# Altium PCB UD2 CPLD.PcbDoc (part 2 of 2)
Units mil, origin at the board's own origin, x right, y up, seen from the top; angles counter-clockwise.
Board outline 3700 x 2400 mil, 2 copper layers (Top Layer, Bottom Layer), stack 65.3 mil thick; 179 components, 89 nets, 480 pads, 189 vias.
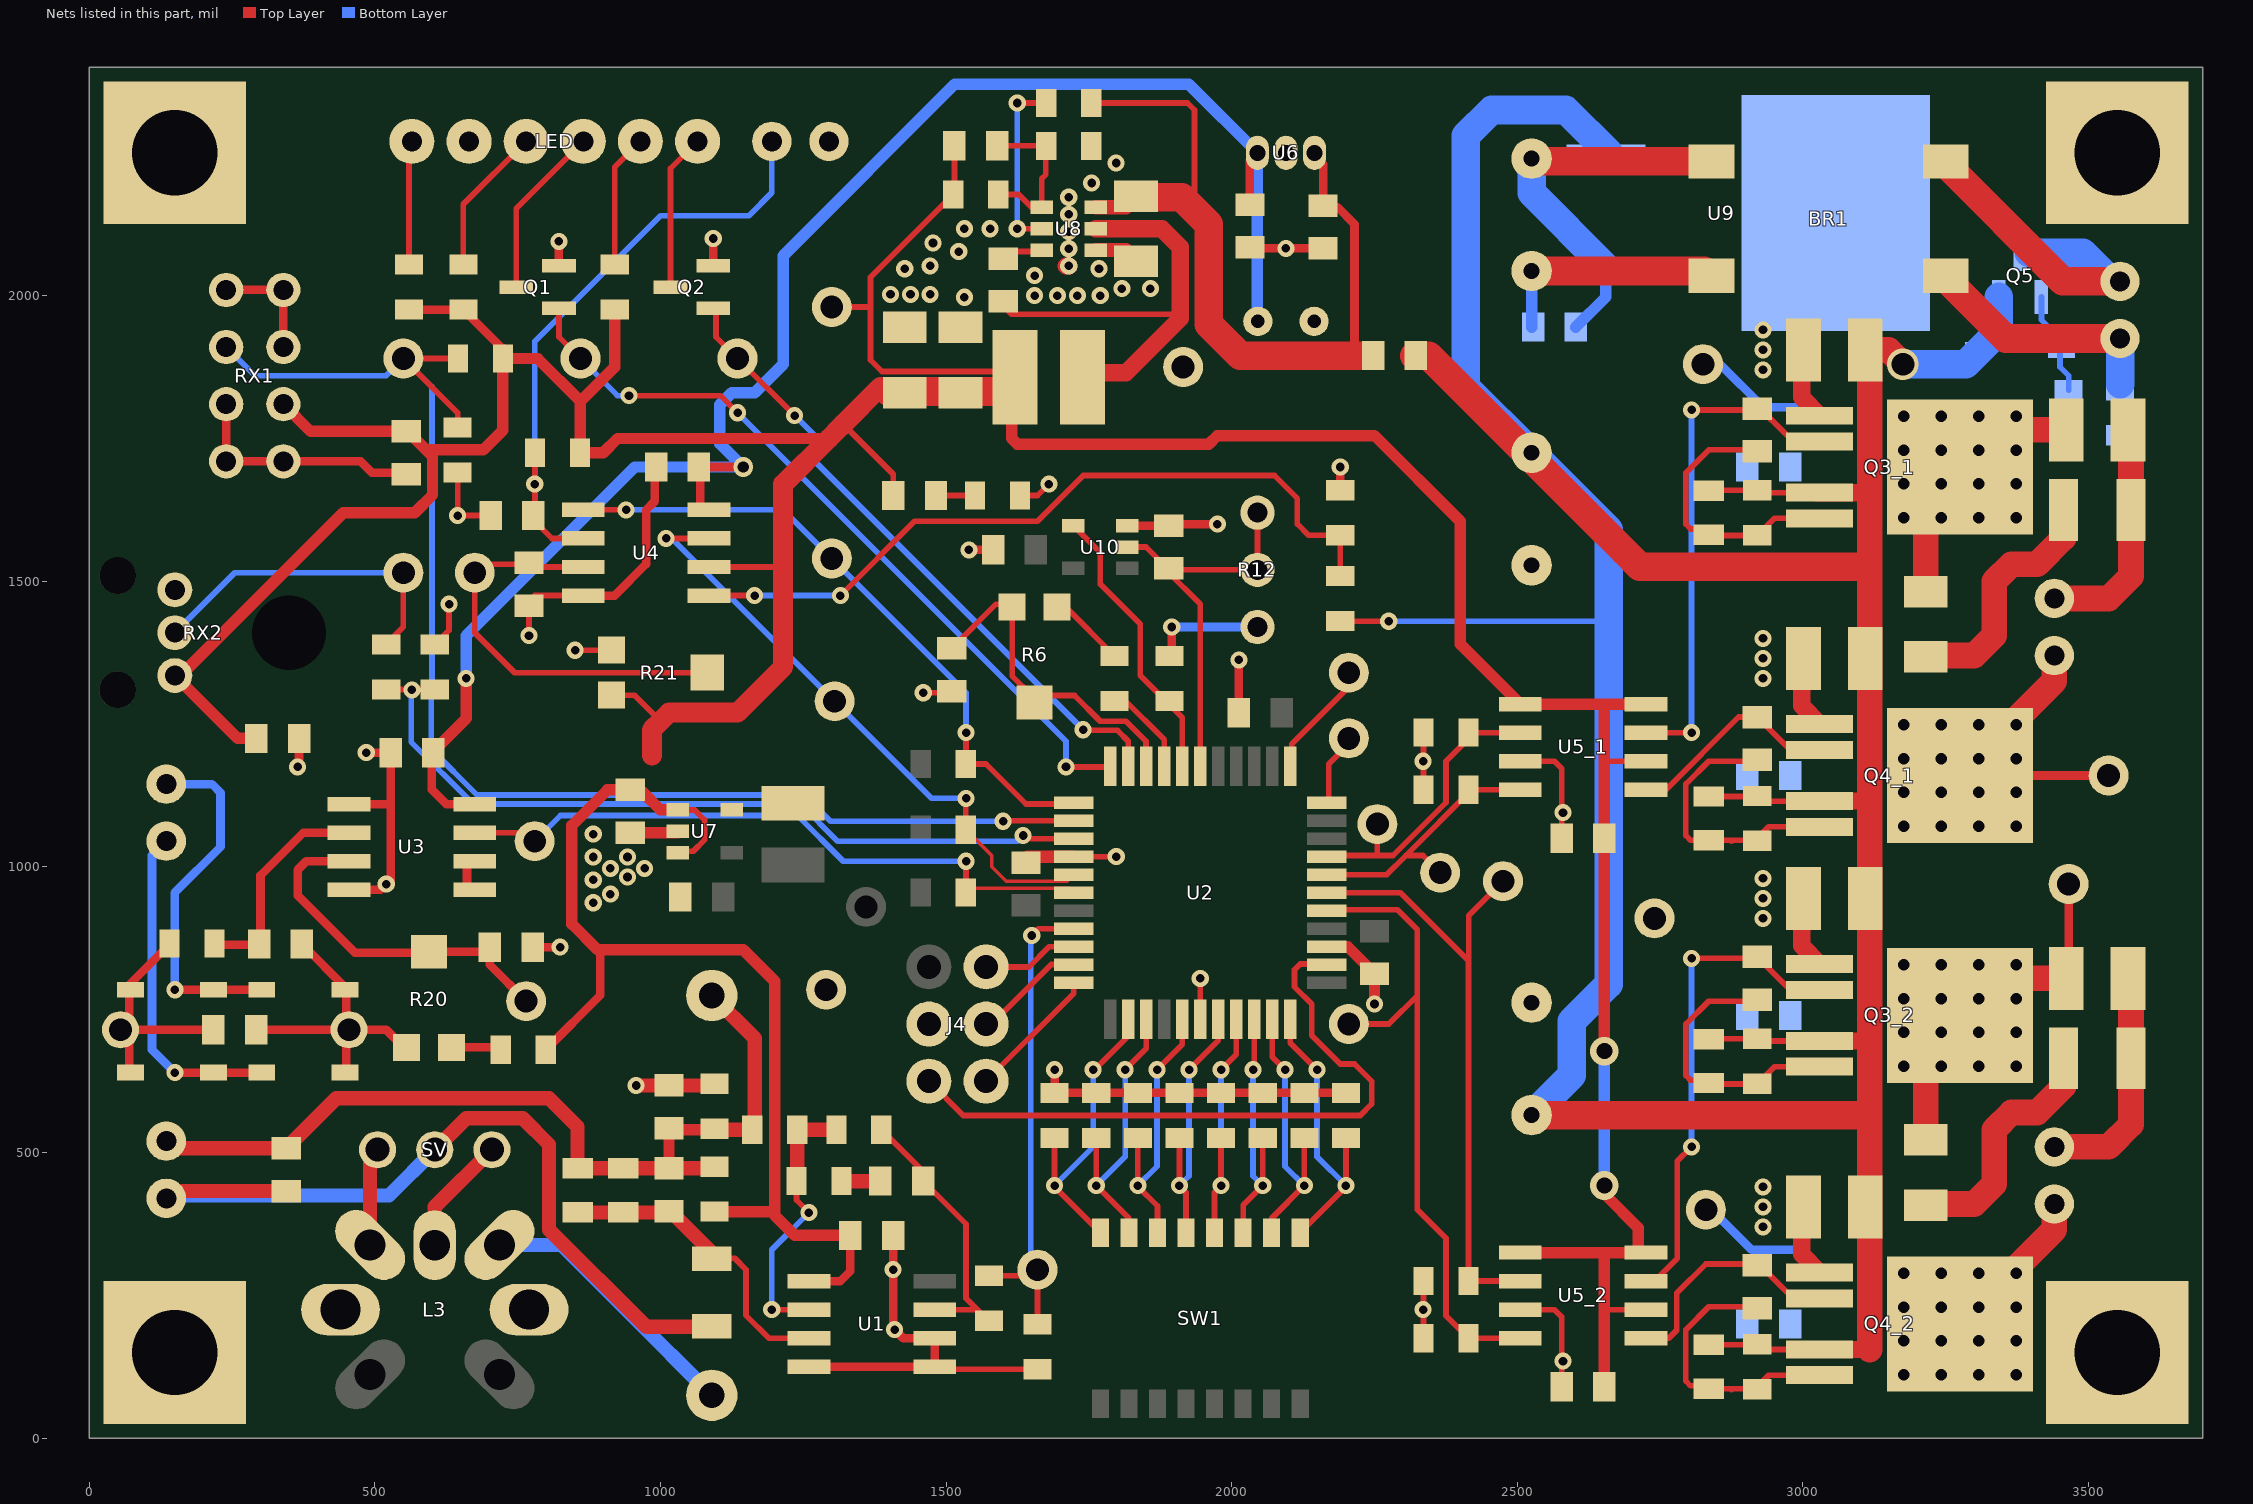
[diagram p2: the nets of this part, all layers, seen from the top]

## Via types
v1: diameter 30, hole 15, Top Layer to Bottom Layer, tented both sides, 121 vias
v2: diameter 40, hole 20, Top Layer to Bottom Layer, tented both sides, 64 vias
v3: diameter 50, hole 28, Top Layer to Bottom Layer, 2 vias
v4: diameter 55, hole 40, Top Layer to Bottom Layer, 1 vias
v5: diameter 35, hole 20, Top Layer to Bottom Layer, tented both sides, 1 vias

## Nets (pads, with @x,y where several pads share a name; then routed paths per layer and width w, separated by ;. In a path a pad name is that pad's centre, name@x,y a point inside that pad or via, vN(x,y) a via of type N, cw(c..) or ccw(c..) an arc to the next point about the centre after c; other vN are vias at no path point) (continued)
+5V: +5V.1 C3.1 C6.1 C16.2 C25.2 C31_1.2 C31_2.2 C40.1 C41.2 C43.2 L2.2 PWR.1 R1.2 R2.2 R3.2 R11.2 R13.2 R21.3 R22.2 R32.2 R38.2 RX1.2 RX2.3 U1.1 U4.6 U5_1.1 U5_1.6 U5_1.8 U5_2.1 U5_2.6 U5_2.8 U7.1 U7.3 | length 9813.5
  Top Layer w10: R21.3@914.76,1300.63 954.37,1300.63 1000,1255 ; U7.1@1030.16,1099.8 1060,1099.8 1077.4,1082.4 1077.4,1047.4 1057.4,1027.4 U7.3@1037.4,1027.4 ; U4.6@1085.04,1525 1215,1525 ; +5V.1@1300,1980 1367.71,1980 ; 1315,1780 1320,1775 1407.6,1687.4 PWR.1@1407.6,1650 ; R13.2@1512.74,2177.19 1367.71,2032.16 1367.71,1980 ; R13.2@1514.71,2177.19 C41.2@1514.71,2262.19 ; L2.2@1617.71,1887.19 1597.71,1867.19 1387.71,1867.19 1367.71,1887.19 1367.71,1980 ; U5_1.1@2518.54,1285 U5_1.1@2520,1285 ; v3@2652.4,425 v3(2652.4,442.4) ; 2652.4,1180 2657.4,1185 U5_1.6@2711.46,1185 ; 2657.4,225 U5_2.6@2711.46,225
  Top Layer w15: R1.2@555,1980 R1.2@560,1975 ; R1.2@560,1975.63 R2.2@655,1975.63 ; R2.2@659.37,1975.63 R2.2@655,1975.63 ; R32.2@725,1905.63 R2.2@655,1975.63 ; R38.2@799.37,680 895,775.63 895,855 ; R3.2@925,1975 R3.2@929.37,1975 ; R3.2@926.34,1971.97 R3.2@929.37,1975 ; R3.2@930,1975.63 R3.2@929.37,1975 ; U1.1@1259.96,275 1315,275 1332.6,292.6 C16.2@1332.6,355
  Top Layer w20: RX2.3@150,1335 RX2.3@154.04,1330.96 ; C43.2@295,1225 C43.2@292.6,1225 260,1225 RX2.3@154.04,1330.96 ; RX1.2@340,1810 387.6,1762.4 C25.2@555,1762.4 ; C25.2@555,1760 C25.2@560,1760 ; C25.2@555,1765 C25.2@560,1760 ; R32.2@724.37,1890 724.37,1764.37 690,1730 590,1730 ; R32.2@725,1905.63 725,1890 785,1890 860,1815 ; 860,1810 860,1815 ; R3.2@920,1975 920,1875 860,1815 ; C3.1@947.4,1132.4 967.4,1132.4 1000,1099.8 U7.1@1030.16,1099.8 ; C3.1@947.4,1134.8 907.18,1134.8 845,1072.63 845,900 890,855 895,855 1145,855 1200,800 1200,390 1235,355 C16.2@1332.6,355 C16.2@1335,355 ; R11.2@1095,396.61 1193.39,396.61 ; 1295,1750 925,1750 900,1725 R22.2@859.37,1725 859.37,1814.37 860,1815 ; L2.2@1615,1870 1615,1832.19 1615,1750 1625,1740 1960,1740 1975,1755 2250,1755 2400,1605 2400,1390 U5_1.1@2504.96,1285 ; U5_2.1@2518.54,325 2711.46,325 2711.46,368.54 v3@2655,425 ; U5_1.1@2520,1285 U5_1.8@2711.46,1285 ; C31_2.2@2652.4,90 2652.4,322.4 ; v3(2652.4,677.4) C31_1.2@2652.4,1050 2652.4,1180 2652.4,1282.4 ; RX2.3@154.04,1330.96 155.96,1330.96 445,1620 570,1620 601,1651 601,1719 590,1730 ; C25.2@560,1760 590,1730
  Top Layer w35: 985,1195 985,1240 1000,1255 1015,1270 1135,1270 1215,1350 1215,1525 1215,1670 1295,1750 1315,1770 1320,1775 1385,1840
  Top Layer w50: C40.1@1400,1832.19 1615,1832.19 L2.2@1619.71,1832.19
  Bottom Layer w20: v3(2652.4,442.4) v3(2652.4,677.4)
+15V: C20.2 C22.2 C33.1 C35.2 U3.8 U4.8 U6.1 | length 2957.7
  Top Layer w15: C20.2@600,1200 600,1135 625,1110 U3.8@660,1110 ; C22.2@1067.4,1700 v5(1145,1700) ; U4.8@1070,1625 C22.2@1070,1700 ; C35.2@2031.85,2159.49 U6.1@2031.85,2236.85
  Top Layer w20: C20.2@600,1200 660,1260 v1(660,1330)
  Bottom Layer w20: v1(660,1330) 660,1405 955,1700 v5(1145,1700) 1104,1741 1104,1809 1125,1830 1165,1830 1180,1845 1215,1880 1215,2070 1515,2370 1925,2370 U6.1@2045,2250 C33.1@2045,1955
+24V: C1.1 C2.1 C27_1.1 C27_2.1 C30_1.1 C30_2.1 D7_1.K D7_2.K D8_1.K D8_2.K D9.K FB1.1 Q3_1.4 Q3_2.4 Q4_1.4 Q4_2.4 Q5.3 R33_1.2 R33_2.2 R37_1.2 R37_2.2 R39.1 U9.3 | length 7318.2
  Top Layer w10: R39.1@2190,1430.63 2190.63,1430 v1(2275,1430) ; 2687.5,1552.5 2690,1555 ; D8_2.K@2835,163.39 R37_2.2@2918.39,163.39 ; D8_1.K@2835,1123.39 R37_1.2@2918.39,1123.39 ; D7_2.K@2840,700 2840.63,699.37 R33_2.2@2920,699.37 ; D7_1.K@2840,1660 2840.63,1659.37 R33_1.2@2920,1659.37 ; R37_2.2@2920,165 2929.88,155.12 Q4_2.4@3028.94,155.12 ; R37_1.2@2920,1125 2929.88,1115.12 Q4_1.4@3028.94,1115.12 ; R33_2.2@2924.88,695.12 Q3_2.4@3028.94,695.12 ; R33_1.2@2924.88,1655.12 Q3_1.4@3028.94,1655.12 ; 3109.88,155.12 3110,155 ; 3109.88,1115.12 3110,1115
  Top Layer w30: Q3_2.4@3025,695 3112.09,695 ; Q3_1.4@3025,1655 3112.09,1655 ; Q4_2.4@3028.94,155.12 3109.88,155.12 ; Q4_1.4@3028.94,1115.12 3109.88,1115.12 ; C30_1.1@3110,1367.91 C30_1.1@3112.09,1370
  Top Layer w45: C27_1.1@3109.13,1905 3150,1905 v4(3175,1880) ; 3117,155 C27_1.1@3117,1890
  Top Layer w50: FB1.1@2320,1895 FB1.1@2322.4,1895 2345,1895 2620,1620 ; C2.1@2525,565.61 3100,565.61 ; 2621.71,1618.29 2687.5,1552.5 2714.39,1525.61 3100,1525.61
  Bottom Layer w10: v1(2275,1430) 2660,1430 ; 2660,1375 2665,1375
  Bottom Layer w50: C2.1@2520,570 C2.1@2520.31,570.31 ; C2.1@2525,565.61 2595,635.61 2595,730 2660,795 2660,1375 2660,1430 2660,1590 C1.1@2525,1725 2410,1840 2410,2280 2455,2325 2585,2325 U9.3@2660,2250 ; v4(3175,1880) 3285,1880 3340,1935 ; 3342.6,1937.6 Q5.3@3342.6,1997.6
A11: 1A.1 R35_1.2 U2.30 U5_1.2 | length 542.7
  Top Layer w10: U2.30@2170,1020 2255,1020 ; 1A.1@2255,1075 2255,1020 ; U5_1.2@2520,1235 U5_1.2@2504.96,1235 R35_1.2@2414.37,1235 2414.37,1224.37 2375,1185 2375,1112.63 2282.37,1020 2255,1020
A12: 2A.1 R35_2.2 U2.28 U5_2.2 | length 1137.9
  Top Layer w10: U2.28@2165,960 2170,955 2295,955 2414.37,835.63 ; 2415,830 2415,835 ; 2A.1@2475,975 2415,915 2415,835 ; U5_2.2@2520,275 U5_2.2@2504.96,275 R35_2.2@2414.37,275 2414.37,835.63 ; 2414.37,835.63 2415,835
A_1: A_1.1 C26_1.1 C28_1.1 C37_1.2 Q3_1.3 | length 661.6
  Top Layer w45: C26_1.1@3215,1482.09 3215,1650 Q3_1.3@3275,1710 ; Q3_1.3@3270,1700 3335,1765 C28_1.1@3460.87,1765
  Bottom Layer w15: A_1.1@2825,1880 2855,1880 2930,1805 2985,1805
  other v2: 3176.57,1611.42 3242.19,1611.42 3307.81,1611.42 3373.43,1611.42 3176.57,1670.47 3242.19,1670.47 3307.81,1670.47 3373.43,1670.47 3176.57,1729.53 3242.19,1729.53 3307.81,1729.53 3373.43,1729.53 3176.57,1788.58 3242.19,1788.58 3307.81,1788.58 3373.43,1788.58
A_2: A_2.1 C26_2.1 C28_2.1 C37_2.2 Q3_2.3 | length 635.6
  Top Layer w15: C28_2.1@3465,805 A_2.1@3465,970
  Top Layer w45: C26_2.1@3215,522.09 3215,690 Q3_2.3@3275,750 ; Q3_2.3@3270,740 3335,805 C28_2.1@3460.87,805
  other v2: 3176.57,651.42 3242.19,651.42 3307.81,651.42 3373.43,651.42 3176.57,710.47 3242.19,710.47 3307.81,710.47 3373.43,710.47 3176.57,769.53 3242.19,769.53 3307.81,769.53 3373.43,769.53 3176.57,828.58 3242.19,828.58 3307.81,828.58 3373.43,828.58
B1: 1B.1 R36_1.2 U2.29 U5_1.4 | length 493.1
  Top Layer w10: U2.29@2166.46,986.5 2271.5,986.5 2305,1020 ; 1B.1@2365,990 2335,1020 2305,1020 ; R36_1.2@2414.37,1135 R36_1.2@2420,1135 ; U5_1.4@2520,1135 U5_1.4@2504.96,1135 R36_1.2@2420,1135 ; 2305,1020 R36_1.2@2420,1135
B2: 2B.1 R36_2.2 U2.27 U5_2.4 | length 1172.9
  Top Layer w10: U2.27@2165,925 2290,925 2325,890 2325,775 ; 2B.1@2205,725 2275,725 2325,775 ; U5_2.4@2520,175 U5_2.4@2504.96,175 R36_2.2@2414.37,175 2375,214.37 2375,350 2325,400 2325,775
B_1: B_1.1 C38_1.2 GDT_1.2 Q4_1.3 | length 438.3
  Top Layer w15: Q4_1.3@3380,1160 B_1.1@3535,1160
  Top Layer w45: Q4_1.3@3275,1160 3440,1325 GDT_1.2@3440,1370 GDT_1.2@3440,1375
  other v2: 3176.57,1071.42 3242.19,1071.42 3307.81,1071.42 3373.43,1071.42 3176.57,1130.47 3242.19,1130.47 3307.81,1130.47 3373.43,1130.47 3176.57,1189.53 3242.19,1189.53 3307.81,1189.53 3373.43,1189.53 3176.57,1248.58 3242.19,1248.58 3307.81,1248.58 3373.43,1248.58
B_2: B_2.1 C38_2.2 GDT_2.2 Q4_2.3 | length 472.3
  Top Layer w45: Q4_2.3@3275,200 3440,365 GDT_2.2@3440,410 GDT_2.2@3440,415
  Bottom Layer w15: B_2.1@2830,400 2840,400 2910,330 2990,330
  other v2: 3176.57,111.42 3242.19,111.42 3307.81,111.42 3373.43,111.42 3176.57,170.47 3242.19,170.47 3307.81,170.47 3373.43,170.47 3176.57,229.53 3242.19,229.53 3307.81,229.53 3373.43,229.53 3176.57,288.58 3242.19,288.58 3307.81,288.58 3373.43,288.58
FAULT: FAULT.1 Q2.1 U2.43 | length 1134.6
  Top Layer w10: Q2.1@1097.4,1977.6 1097.4,1927.6 FAULT.1@1135,1890 v1(1235,1790) ; v1(1740,1240) 1741,1239 1800,1239 1819.02,1219.98 U2.43@1819.02,1176.46
  Bottom Layer w10: v1(1235,1790) 1270,1755 1270,1710 v1(1740,1240)
GND: BR1.2 C1.2 C2.2 C3.2 C4.2 C6.2 C7.2 C8.1 C9.1 C10.2 C12.2 C14.2 C16.1 C17.1 C18.1 C19.1 C20.1 C21.1 C22.1 C23.1 C24.1 C25.1 C27_1.2 C27_2.2 C30_1.2 C30_2.2 C31_1.1 C31_2.1 C33.2 C34.1 C35.1 C36.2 C37_1.1 C37_2.1 C38_1.1 C38_2.1 C39.1 C40.2 C42.1 C43.1 D5.A D6.A GND1.1 GND2.1 GND3.1 J4.3 L3.0 LED.2 pad.0 Q1.3 Q2.3 Q3_1.1 Q3_2.1 Q4_1.1 Q4_2.1 R14.1 R17.2 R18.1 R20.1 R21.1 R24.2 R25.2 R26.2 R27.2 R28.2 R29.2 R30.2 R31.2 R35_1.1 R35_2.1 R36_1.1 R36_2.1 R40.1 R42.1 R43.1 R44.1 R46.1 R48.1 R50.1 RX1.1 RX1.3 RX1.4 RX1.5 RX1.7 RX1.8 RX2.1 THERM.2 U1.4 U1.5 U1.6 U2.4 U2.17 U2.25 U3.1 U3.4 U4.4 U5_1.3 U5_2.3 U6.2 U7.2 U8.1 U9.2 U10.3 | length 6412.9
  Top Layer w10: R50.1@605,1389.37 630,1414.37 v1(630,1460) ; R48.1@645,1690.63 v1(645,1615) C24.1@702.6,1615 ; C23.1@765,1460 780,1475 U4.4@864.96,1475 U4.4@878.54,1475 ; v1(770,1405) C23.1@770,1457.6 ; v1(850.63,1379.37) R21.1@914.76,1379.37 ; v1(1460,1305) C12.2@1512.6,1305 ; U1.5@1490,120 1490.63,120.63 R44.1@1660,120.63 ; R46.1@1629.37,1650 1660,1650 v1(1680,1670) ; U2.4@1723.54,1017.99 v1(1797.99,1017.99) ; U2.17@1945,733.54 v1(1945,805) ; R36_2.1@2335.63,175 R35_2.1@2335.63,274.37 ; R36_1.1@2335.63,1135 R35_1.1@2335.63,1234.37 ; U5_2.3@2518.54,225 2565,225 2577.6,212.4 C31_2.1@2577.6,90 ; U5_1.3@2518.54,1185 2565,1185 2577.6,1172.4 C31_1.1@2577.6,1050
  Top Layer w15: RX1.7@240,1810 RX1.8@240,1710 RX1.1@340,1710 475,1710 495,1690 C25.1@555,1690 ; RX1.5@240,2010 RX1.4@340,2010 RX1.3@340,1910 ; C18.1@292.4,715 R18.1@450,715 ; v1(365,1175) 367.4,1177.4 C43.1@367.4,1225 ; C19.1@372.4,865 450,787.4 R18.1@450,715 ; D6.A@450,635 R18.1@450,715 ; U3.4@450,960 U3.4@454.96,960 510,960 v1(520,970) 527.6,977.6 C20.1@527.6,1200 v1(485,1200) ; U3.1@454.96,1110 525,1110 ; R20.1@555,680 520,715 R18.1@455,715 R18.1@450,715 ; C21.1@776.42,859.54 v1(824.54,859.54) ; Q1.3@822.4,2057.6 v1(822.4,2095) ; U4.4@878.54,1475 920,1475 975,1530 975,1625 990,1640 C22.1@990,1700 ; v1(957.4,617.4) 957.6,617.4 v1@960,615 ; R14.1@1092.4,617.4 R14.1@1095,620 ; Q2.3@1092.4,2057.6 v1(1092.4,2100) ; U1.4@1255,125 U1.4@1259.96,125 U1.5@1480.04,125 1480,166.26 U1.6@1484.37,170.63 ; C16.1@1407.4,355 v1(1407.4,295) 1407.4,192.6 v1(1410,190) 1425,175 U1.6@1480.04,175 ; v1(1540,1555) C42.1@1582.6,1555 ; v1(1690,645) R24.2@1690,604.37 R25.2@1762.86,604.37 R26.2@1835.71,604.37 R27.2@1908.57,604.37 R28.2@1981.43,604.37 R29.2@2054.29,604.37 R30.2@2127.14,604.37 R31.2@2200,604.37 R31.2@2205,604.37 ; U10.3@1817.24,1597.4 C14.2@1877.4,1597.4 ; C14.2@1890,1597.4 1890,1599.84 1890.16,1600 v1(1975,1600) ; C9.1@2012.6,1270 v1(2012.6,1362.4) ; C35.1@2025,2082.6 v1(2095,2082.6) C34.1@2160,2082.6 ; R40.1@2190,1660 v1(2190,1700)
  Top Layer w20: C3.2@947.4,1060 U7.2@1030,1060 ; U2.25@2166.46,860.51 2202.86,860.51 2250,813.38 C8.1@2250,812.6 v1(2250,760)
  Top Layer w21.65: C39.1@1642.99,1017.99 U2.4@1723.54,1017.99
  Top Layer w25: v1@957.6,617.4 C17.1@1015,617.4 R14.1@1092.4,617.4 ; U8.1@1761.95,2079.79 1815.11,2079.79 C7.2@1832.71,2062.19
  Top Layer w30: v1@1710.01,2052.19 v1(1714.71,2052.19) ; C30_2.2@2997.91,385 2997.91,322.09 Q4_2.1@3030,290 ; C27_2.2@2997.91,925 2997.91,862.09 Q3_2.1@3030,830 ; C30_1.2@2997.91,1345 2997.91,1282.09 Q4_1.1@3030,1250 ; C27_1.2@2997.91,1885 2997.91,1822.09 Q3_1.1@3030,1790
  Top Layer w50: C36.2@2525,2043.15 BR1.2@2826.85,2043.15
  Bottom Layer w20: C10.2@2525,1945 C36.2@2525,2043.15
  other v1: 2580,135 2335,225 2930,370 2930,405 2930,440 2930,910 882.4,937.4 2930,945 912.4,952.4 882.4,977.4 2930,980 942.4,982.4 912.4,997.4 972.4,997.4 882.4,1017.4 942.4,1017.4 882.4,1057.4 2580,1095 2335,1185 2930,1330 2930,1365 2930,1400 2930,1870 2930,1905 2930,1940 1532.11,1997.19 1655,2000 1695,2000 1730,2000 1770,2000 1402.71,2002.19 1437.71,2002.19 1472.11,2002.19 1807.71,2012.19 1857.71,2012.19 1655,2035 1427.71,2047.19 1767.71,2047.19 1472.11,2052.19 1522.11,2077.19 1714.71,2082.19 1477.11,2092.19 1714.71,2112.19 1532.11,2117.19 1577.11,2117.19 1714.71,2142.19 1714.71,2172.19 1754.71,2197.19 1797.71,2232.19
MOD_IN: R32.1 R48.2 RX1.6 RX1_I.1 U2.2 | length 2471.3
  Top Layer w10: R48.2@645,1781 645,1795 RX1_I.1@550,1890 R32.1@645.63,1890 ; v1(1600,1080) 1601,1081 1724,1081 U2.2@1725,1080
  Bottom Layer w10: RX1.6@240,1910 290,1860 520,1860 RX1_I.1@550,1890 600,1840 600,1296.77 599,1295.77 599,1206 679,1126 1251.63,1126 1297.63,1080 v1(1600,1080)
MOD_OUT: INT_O.1 Q1.1 U2.44 | length 1350.7
  Top Layer w10: Q1.1@822.4,1977.6 822.4,1927.6 INT_O.1@860,1890 ; v1(945,1825) 1105,1825 v1(1135,1795) ; v1(1710,1175) U2.44@1785,1175
  Bottom Layer w10: INT_O.1@860,1890 925,1825 v1(945,1825) ; v1(1135,1795) 1710,1220 v1(1710,1175)
NetAC_1: AC.1 BR1.4 Q5.2 | length 577.7
  Top Layer w50: BR1.4@3245,2235 3455,2025 AC.1@3555,2025
  Bottom Layer w50: 3395,2075 3490,2075 3540,2025 AC.1@3555,2025
NetAC_2: AC.2 BR1.3 R42.2 | length 428.5
  Top Layer w50: BR1.3@3250,2030 3355,1925 AC.2@3555,1925
  Bottom Layer w50: R42.2@3555,1845 AC.2@3555,1925
NetC5_1: C5.1 L2.1 U8.2 | length 893.1
  Top Layer w10: C5.1@1592.11,1989.79 1614.71,1967.19 1795,1967.19 ; 1857.19,1967.19 1795,1967.19 ; 1910,1960 1902.81,1967.19 1795,1967.19
  Top Layer w30: L2.1@1735,1865 1815,1865 1910,1960 1910,2084.9 1877.71,2117.19 U8.2@1761.95,2117.19
NetC5_2: C5.2 U8.6 | length 85.2
  Top Layer w10: C5.2@1592.11,2064.59 1604.71,2077.19 U8.6@1672.11,2077.19
NetC7_1: C7.1 C34.2 FB1.2 R47.1 U6.3 U8.3 | length 1426.7
  Top Layer w10: R47.1@1754.08,2337.19 1922.81,2337.19 1935,2325 1935,2165
  Top Layer w15: C34.2@2160,2155 2185,2155 2215,2125 2215,1905 ; C34.2@2160,2157.4 U6.3@2160,2230
  Top Layer w25: U8.3@1761.95,2154.59 1815.11,2154.59 C7.1@1832.71,2172.19 ; U6.3@2142.5,2247.5 U6.3@2150,2240 ; FB1.2@2247.6,1895 FB1.2@2250,1895
  Top Layer w50: C7.1@1827.71,2172.19 1832.71,2172.19 1912.81,2172.19 1960,2125 1960,1950 2015,1895 FB1.2@2240,1895
NetC11_1: C11.1 R5.2 | length 63.2
  Top Layer w25: R5.2@1316.77,450 C11.1@1380,450
NetC11_2: C11.2 R4.2 R45.1 U1.7 | length 495.1
  Top Layer w10: R4.2@1386.77,540 1455,471.77 C11.2@1455,455 ; C11.2@1459.8,450 1535,374.8 1535,245 R45.1@1565,215 ; U1.7@1480.04,225 1555,225 R45.1@1565,215 ; R45.1@1575,205 R45.1@1565,215
NetC12_1: C12.1 R6.2 R6.3 U2.42 | length 589.8
  Top Layer w10: C12.1@1510,1382.4 1587.6,1460 R6.3@1620,1460 ; R6.3@1615.63,1455.24 1615.63,1334.37 1650,1300 1725,1300 1770,1255 1815,1255 1850,1220 U2.42@1850,1175
NetC13_1: C13.1 C15.2 C17.2 D1.A D2.K FB.2 R8.1 R10.1 R11.1 R14.2 | length 1580.1
  Top Layer w20: C13.1@1015,472.4 1015,540 R14.2@1090,540 ; R14.2@1085,545 R14.2@1090,540 ; R14.2@1095,535 R14.2@1090,540 ; R14.2@1095,540 R14.2@1090,540
  Top Layer w25: FB.2@135,525 152.6,507.4 C15.2@345,507.4 432.6,595 805,595 855,545 D2.K@855,472.4 ; D2.K@855,470 D2.K@855,472.4 ; R11.1@1082.4,472.4 C13.1@1015,472.4 D1.A@935,472.4 D2.K@855,472.4 ; R10.1@1090,775 1165,700 R8.1@1165,540 ; R14.2@1095,540 R8.1@1160.63,540
NetC13_2: C13.2 D1.K D2.A R7.2 U1.3 | length 544.8
  Top Layer w10: R7.2@1095,315 1130,315 1150,295 1150,215 1190,175 U1.3@1259.96,175
  Top Layer w20: R7.2@1090,320 R7.2@1090,325
  Top Layer w25: D2.A@855,395 1020,395 R7.2@1090,325 ; R7.2@1090,314.06 R7.2@1090,320
NetC14_1: C14.1 R12.2 R12.3 U2.39 U10.2 | length 714.2
  Top Layer w10: U10.2@1817.24,1560 1850,1560 C14.1@1890,1520 ; U2.39@1945,1180 1945,1460 1885,1520 C14.1@1890,1520 ; R12.3@2045,1620 R12.2@2045,1520 C14.1@1890,1520
NetC15_1: C15.1 FB.1 R7.1 SV.2 | length 1465
  Top Layer w25: FB.1@135,420 147.6,432.6 C15.1@345,432.6 ; SV.2@605,505 660,560 759,560 805,514 805,365 975,195 1089.06,195 R7.1@1090,195.94
  Bottom Layer w25: FB.1@135,425 525,425 SV.2@605,505
NetC18_2: C18.2 D3.K D4.K R16.1 R18.2 | length 424.3
  Top Layer w10: R16.1@140.63,855.63 R16.1@140.63,864.02
  Top Layer w15: R18.2@55,715 C18.2@217.6,715 ; D4.K@70,640 70,793.39 R16.1@140.63,864.02
NetC19_2: C19.2 R16.2 U3.2 | length 384.8
  Top Layer w15: R16.2@219.37,864.02 C19.2@290.98,864.02 ; C19.2@295,860 300,865 300,985 375,1060 U3.2@454.96,1060
NetC21_2: C21.2 OCS.1 R20.2 U3.3 | length 641.7
  Top Layer w15: U3.3@454.96,1010 380,1010 365,995 365,950 465,850 R20.2@595,850 ; R20.2@595,851.65 C21.2@701.61,851.65 ; C21.2@701.61,859.54 C21.2@701.61,851.65 ; C21.2@703.35,851.65 C21.2@701.61,851.65 ; OCS.1@765,765 701.61,828.39 C21.2@701.61,851.65
NetC23_2: C23.2 OTS.1 R21.2 U4.3 | length 752.9
  Top Layer w10: C23.2@775,1530 690,1530 OTS.1@675,1515 675,1410 745,1340 R21.2@1080,1340 ; C23.2@775,1535 785,1525 U4.3@878.54,1525
NetC24_2: C24.2 R22.1 THERM.1 U4.2 | length 1094.5
  Top Layer w10: R22.1@780.63,1725 780.63,1615.63 775,1610 810,1575 U4.2@875,1575
  Bottom Layer w10: v1(780,1670) 780,1920 1000,2140 1155,2140 1195,2180 THERM.1@1195,2270
NetC26_1_2: C26_1.2 R34_1.1 | length 431
  Top Layer w45: C26_1.2@3215,1370 3300,1370 3335,1405 3335,1500 3365,1530 3410,1530 3455.94,1575.94 R34_1.1@3455.94,1625
NetC26_2_2: C26_2.2 R34_2.1 | length 431
  Top Layer w45: C26_2.2@3215,410 3300,410 3335,445 3335,540 3365,570 3410,570 3455.94,615.94 R34_2.1@3455.94,665
NetC28_1_2: C28_1.2 GDT_1.1 R34_1.2 | length 396.6
  Top Layer w45: GDT_1.1@3445,1470 3535,1470 3574.06,1509.06 R34_1.2@3574.06,1625 3574.06,1759.06 C28_1.2@3575,1760
NetC28_2_2: C28_2.2 GDT_2.1 R34_2.2 | length 396.6
  Top Layer w45: GDT_2.1@3445,510 3535,510 3574.06,549.06 R34_2.2@3574.06,665 3574.06,799.06 C28_2.2@3575,800
NetC29_1_1: C29_1.1 Q3_1.2 U5_1.7 | length 847.7
  Top Layer w10: U5_1.7@2711.46,1235 U5_1.7@2725.04,1235 v1(2805,1235) ; v1(2805,1800) C29_1.1@2920,1800 ; C29_1.1@2920,1807.4 Q3_1.2@2972.4,1755
  Bottom Layer w10: v1(2805,1235) v1(2805,1800)
NetC29_1_2: C29_1.2 D7_1.A Q3_1.5 R33_1.1 | length 476.8
  Top Layer w10: D7_1.A@2835,1580 2880,1580 2919.37,1580 R33_1.1@2920,1580.63 ; D7_1.A@2835,1591.61 2803.39,1591.61 2795,1600 2795,1690 2835,1730 C29_1.2@2915,1730 ; R33_1.1@2920,1580 2950.24,1610.24 Q3_1.5@3028.94,1610.24
NetC29_2_1: C29_2.1 Q3_2.2 U5_2.7 | length 804.9
  Top Layer w10: U5_2.7@2711.46,275 U5_2.7@2725.04,275 2740.6,275 2780,314.4 2780,485 v1(2805,510) ; v1(2805,840) C29_2.1@2915,840 ; C29_2.1@2920,842.4 Q3_2.2@2972.4,790
  Bottom Layer w10: v1(2805,510) v1(2805,840)
NetC29_2_2: C29_2.2 D7_2.A Q3_2.5 R33_2.1 | length 476.8
  Top Layer w10: D7_2.A@2835,620 2880,620 2919.37,620 R33_2.1@2920,620.63 ; D7_2.A@2835,626.61 2803.39,626.61 2795,635 2795,725 2835,765 C29_2.2@2915,765 ; R33_2.1@2920,620 2950.24,650.24 Q3_2.5@3028.94,650.24
NetC32_1_1: C32_1.1 Q4_1.2 U5_1.5 | length 326.9
  Top Layer w10: U5_1.5@2720,1135 U5_1.5@2725.04,1135 2760,1135 2887.4,1262.4 C32_1.1@2920,1262.4 Q4_1.2@2972.4,1210
NetC32_1_2: C32_1.2 D8_1.A Q4_1.5 R37_1.1 | length 477.7
  Top Layer w10: 2875,1045 2875,1046.61 ; R37_1.1@2915,1045 R37_1.1@2916.61,1046.61 ; C32_1.2@2915,1185 2835,1185 2795,1145 2795,1055 2803.39,1046.61 D8_1.A@2835,1046.61 2875,1046.61 ; Q4_1.5@3028.94,1070.24 2940.24,1070.24 R37_1.1@2916.61,1046.61 ; 2875,1046.61 R37_1.1@2916.61,1046.61
NetC32_2_1: C32_2.1 Q4_2.2 U5_2.5 | length 374.6
  Top Layer w10: U5_2.5@2711.46,175 U5_2.5@2725.04,175 2745,175 2765,175 2779,189 2779,254 2830,305 C32_2.1@2920,305 ; C32_2.1@2920,307.4 Q4_2.2@2972.4,255
NetC32_2_2: C32_2.2 D8_2.A Q4_2.5 R37_2.1 | length 477.7
  Top Layer w10: D8_2.A@2835,86.61 2875,86.61 ; D8_2.A@2835,91.61 2803.39,91.61 2795,100 2795,190 2835,230 C32_2.2@2915,230 ; 2875,85 2875,86.61 ; R37_2.1@2915,85 R37_2.1@2916.61,86.61 ; Q4_2.5@3028.94,110.24 2940.24,110.24 R37_2.1@2916.61,86.61 ; 2875,86.61 R37_2.1@2916.61,86.61
NetC41_1: C41.1 R13.1 R17.1 U8.4 | length 280.5
  Top Layer w10: C41.1@1589.51,2262.19 1674.71,2262.19 1674.71,2212.19 1667.46,2204.94 U8.4@1667.46,2154.59 1649.71,2154.59 1627.11,2177.19 R13.1@1592.11,2177.19
NetD3_A: D3.A D5.K OCD.2 | length 629.4
  Top Layer w15: v1(150,785) D3.A@217.83,785 D5.K@300,785
  Bottom Layer w15: OCD.2@135,1145 215,1145 230,1130 230,1035 150,955 v1(150,785)
NetD4_A: D4.A D6.K OCD.1 | length 586.9
  Top Layer w15: v1(150,640) D4.A@217.83,640 220,640 D6.K@302.17,640 D6.K@305,640
  Bottom Layer w15: OCD.1@135,1045 110,1020 110,680 v1(150,640)
NetD9_A: D9.A Q5.1 R43.2 | length 182.9
  Bottom Layer w10: Q5.1@3417.4,1997.6 3417.4,1957.6 3450,1925 3450,1905 3450,1900 3450,1875 3465,1860 R43.2@3465,1834.37
NetJ4_2: J4.2 U2.9 | length 177.5
  Top Layer w10: J4.2@1570,825 1645,825 1680.51,860.51 U2.9@1723.54,860.51 U2.9@1717.03,854
NetJ4_4: J4.4 U2.10 | length 191.6
  Top Layer w10: J4.4@1575,725 1580,725 1684.02,829.02 U2.10@1723.54,829.02
NetJ4_5: J4.5 U2.24 | length 1186.2
  Top Layer w10: J4.5@1470,625 1530,565 1665,565 ; 1655,565 1665,565 ; U2.24@2160,830 2120,830 2110,820 2110,790 2140,760 2140,705 2190,655 2215,655 2245,625 2245,585 2225,565 1665,565 ; U2.24@2160,833.5 2161.97,833.5 U2.24@2166.46,829.02
NetJ4_6: J4.6 U2.11 | length 249.7
  Top Layer w10: J4.6@1570,625 1723.54,778.54 U2.11@1723.54,797.52 U2.11@1720,797.52 ; U2.11@1720,790 U2.11@1720,797.52 ; U2.11@1720,800 U2.11@1720,797.52
NetL1_1: L1.1 U7.5
NetL3_1: L3.1 SV.1 | length 172.2
  Top Layer w25: L3.1@491.75,338.25 491.75,491.75 SV.1@505,505
NetL3_2: L3.2 SV.3 | length 208.6
  Top Layer w25: L3.2@605,337.79 605,405 SV.3@705,505
NetL3_3: L3.3 R10.2 | length 480.8
  Bottom Layer w25: L3.3@718.25,338.25 826.75,338.25 945,220 R10.2@1090,75
NetLED_1: LED.1 R1.1 | length 224.8
  Top Layer w10: LED.1@555,2255 LED.1@560,2260 ; R1.1@560,2054.37 LED.1@560,2260 ; LED.1@560,2265 LED.1@560,2260 ; LED.1@565,2265 LED.1@560,2260
NetLED_3: LED.3 R2.1 | length 261.2
  Top Layer w10: R2.1@655,2054.37 655,2160 LED.3@765,2270
NetLED_4: LED.4 Q1.2 | length 303.6
  Top Layer w10: Q1.2@747.6,2015 747.6,2152.6 LED.4@865,2270
NetLED_5: LED.5 R3.1 | length 234.3
  Top Layer w10: R3.1@920,2054.37 920,2225 LED.5@965,2270
NetLED_6: LED.6 Q2.2 | length 274.6
  Top Layer w10: Q2.2@1017.6,2015 1017.6,2222.6 LED.6@1065,2270
NetPWR_2: PWR.2 R46.2 | length 67.6
  Top Layer w10: PWR.2@1482.4,1650 R46.2@1550,1650
NetR4_1: R4.1 R5.1 R8.2 U1.2 | length 507.3
  Top Layer w10: v1(1195,225) U1.2@1259.96,225 ; R5.1@1238.03,450 1238.03,416.97 v1(1260,395)
  Top Layer w15: R5.1@1238.03,468.03 R5.1@1238.03,450 R5.1@1239.37,450 ; R5.1@1239.37,449.37 R5.1@1239.37,450 ; R5.1@1240,450 R5.1@1239.37,450 ; R4.1@1308.03,540 R4.1@1310,540
  Top Layer w25: R5.1@1239.37,450 R8.2@1239.37,540 R4.1@1308.03,540
  Bottom Layer w10: v1(1195,225) 1195,330 v1(1260,395)
NetR6_1: R6.1 R9.2 | length 140.5
  Top Layer w10: R6.1@1690,1455 1709.37,1455 R9.2@1795,1369.37
NetR9_1: R9.1 U2.41 | length 163.4
  Top Layer w10: R9.1@1795,1295 1810,1295 1882.01,1222.99 U2.41@1882.01,1176.46
NetR12_1: R12.1 R15.2 | length 200
  Top Layer w15: R15.2@1895,1370 v1(1895,1420)
  Bottom Layer w15: v1(1895,1420) R12.1@2045,1420
NetR15_1: R15.1 U2.40 U10.4 | length 500
  Top Layer w10: U10.4@1722.76,1597.4 1770,1550.16 1770,1495 1840,1425 1840,1335 1913.5,1261.5 U2.40@1913.5,1176.46
NetR20_3: R20.3 R38.1 | length 92.4
  Top Layer w15: R20.3@634.37,684.32 720.68,684.32 R38.1@725,680
NetR24_1: R24.1 SW1.16 U2.13 | length 544.4
  Top Layer w10: R24.1@1690,525 v1(1690,442.14) 1690,440 SW1.16@1770,360 ; v1(1757.43,645) 1759.81,645 1819.02,704.21 U2.13@1819.02,733.54
  Bottom Layer w10: v1(1690,442.14) 1757.43,509.57 v1(1757.43,645)
NetR25_1: R25.1 SW1.15 U2.14 | length 516.4
  Top Layer w10: R25.1@1762.86,525 v1(1762.86,442.14) 1820,385 SW1.15@1820,360 ; v1(1813.43,645) 1850.51,682.08 U2.14@1850.51,733.54
  Bottom Layer w10: v1(1762.86,442.14) 1813.43,492.71 v1(1813.43,645)
NetR26_1: R26.1 SW1.14 U2.16 | length 502.8
  Top Layer w10: R26.1@1835.71,525 v1(1835.71,442.14) 1835.71,440.71 1870,406.43 SW1.14@1870,360 ; v1(1869.43,645) 1913.5,689.08 U2.16@1913.5,733.54
  Bottom Layer w10: v1(1835.71,442.14) 1869.43,475.86 v1(1869.43,645)
NetR27_1: R27.1 SW1.13 U2.18 | length 488.6
  Top Layer w10: v1@1908.57,441.43 1920,430 SW1.13@1920,360 ; v1(1908.57,442.14) R27.1@1908.57,525 ; v1(1925.43,645) 1976.5,696.07 U2.18@1976.5,733.54
  Bottom Layer w10: v1(1908.57,442.14) 1925.43,459 v1(1925.43,645)
NetR28_1: R28.1 SW1.12 U2.19 | length 456
  Top Layer w10: SW1.12@1970,360 1970,430 ; v1@1981.43,441.43 v1(1981.43,442.14) R28.1@1981.43,525 ; v1(1981.43,645) 2007.99,671.56 U2.19@2007.99,733.54
  Bottom Layer w10: v1(1981.43,442.14) v1(1981.43,645)
NetR29_1: R29.1 SW1.11 U2.20 | length 482
  Top Layer w10: SW1.11@2020,360 2020,407.86 v1(2054.29,442.14) ; v1@2039.49,647.06 U2.20@2039.49,733.54 ; v1@2054.29,435.71 v1(2054.29,442.14) ; R29.1@2054.29,525 v1(2054.29,442.14)
  Bottom Layer w10: v1(2037.43,645) 2037.43,459 v1(2054.29,442.14)
NetR30_1: R30.1 SW1.10 U2.21 | length 503.3
  Top Layer w10: SW1.10@2070,360 2070,385 v1(2127.14,442.14) R30.1@2127.14,525 ; U2.21@2070.98,733.54 2070.98,667.44 v1(2093.43,645)
  Bottom Layer w10: v1(2093.43,645) 2093.43,475.86 v1(2127.14,442.14)
NetR31_1: R31.1 SW1.9 U2.22 | length 529.9
  Top Layer w10: U2.22@2102.48,733.54 2102.48,691.95 v1(2149.43,645) ; SW1.9@2120,360 2200,440 v1(2200,442.14) R31.1@2200,525
  Bottom Layer w10: v1(2149.43,645) 2149.43,492.71 v1(2200,442.14)
NetR39_2: R39.2 R40.2 U4.5 | length 1332.2
  Top Layer w10: U4.5@1085.04,1475 v1(1165,1475) ; v1(1315,1475) 1445,1605 1660,1605 1740,1685 2075,1685 2115,1645 2115,1600 2134.37,1580.63 R40.2@2190,1580.63 R39.2@2190,1510
  Bottom Layer w10: v1(1165,1475) v1(1315,1475)
NetR47_2: R47.2 U8.5 | length 315
  Top Layer w10: v1(1624.71,2117.19) U8.5@1667.46,2117.19 U8.5@1669.71,2117.19 ; v1(1624.71,2337.19) R47.2@1674.71,2337.19
  Bottom Layer w10: v1(1624.71,2117.19) v1(1624.71,2337.19)
NetR49_1: R49.1 R50.2 U2.3 | length 1419.5
  Top Layer w10: R49.1@520,1310.63 R50.2@605,1310.63 R50.2@609.37,1310.63 ; v1(1635,1055) 1640.51,1049.49 U2.3@1723.54,1049.49
  Bottom Layer w10: v1(565,1310) 563.69,1308.69 563.69,1218.69 672.37,1110 1245,1110 1310,1045 1625,1045 v1(1635,1055)
NetR49_2: R49.2 RX2.2 RX2_I.1 | length 585.9
  Top Layer w10: R49.2@520,1390 550,1420 RX2_I.1@550,1515
  Bottom Layer w10: RX2.2@145,1410 RX2.2@150,1410 255,1515 RX2_I.1@550,1515
NetTP1_1: TP1.1 U2.34 | length 206.4
  Top Layer w10: U2.34@2105,1175 2105,1215 2205,1315 TP1.1@2205,1340
NetTP2_1: TP2.1 U2.33 | length 129.5
  Top Layer w10: U2.33@2170,1110 2170,1180 2205,1215 TP2.1@2205,1225
NetU3_5: U3.5 U3.6 | length 50.6
  Top Layer w15: U3.5@660,960 661.46,961.46 U3.6@661.46,1010
OCD: OC.1 R19.1 U2.6 U3.7 | length 1181.7
  Top Layer w6: R19.1@1535,955 1543,963 1630.03,963 1715.54,963 U2.6@1723.54,955 U2.6@1700,955
  Top Layer w10: U3.7@675.04,1060 765,1060 OC.1@780,1045 ; R19.1@1535,965 v1(1535,1010)
  Bottom Layer w10: OC.1@780,1045 825,1090 895,1090 1240,1090 1320,1010 v1(1535,1010)
OTD: OT.1 R23.1 U2.1 U4.1 | length 1156.9
  Top Layer w10: U4.1@864.96,1625 v1(940,1625) ; R23.1@1534.37,1180 1570,1180 1640,1110 U2.1@1730,1110 ; R23.1@1535,1182.4 v1(1535,1235)
  Bottom Layer w10: v1(940,1625) 1215,1625 OT.1@1300,1540 1410,1430 ; 1415,1425 1410,1430 ; v1(1535,1235) 1535,1305 1410,1430
UVLO: R41.1 U2.5 U4.7 UVLO.1 | length 1130.2
  Top Layer w6: R41.1@1535,1065 1580,1020 1580,1000 1605,975 1712.05,975 U2.5@1723.54,986.5 ; U2.5@1700,985 U2.5@1701.5,986.5
  Top Layer w10: v1(1010,1575) U4.7@1085.04,1575 1090,1575 U4.7@1075,1575 ; R41.1@1534.37,1065 1534.37,1119.37 v1(1535,1120) ; U2.5@1701.5,986.5 U2.5@1723.54,986.5
  Bottom Layer w10: v1(1010,1575) 1020,1575 1475,1120 v1(1535,1120)
VCC: BR1.1 C10.1 C36.1 U9.1 | length 680.6
  Top Layer w50: C36.1@2525,2235 BR1.1@2840,2235
  Bottom Layer w20: C10.1@2602.4,1945 2655,1997.6 U9.1@2655,2045
  Bottom Layer w50: C36.1@2525,2240 2525,2180 U9.1@2655,2050
ZCD: R44.2 R45.2 U2.8 ZCD.1 | length 831.5
  Top Layer w10: R45.2@1575,284.37 1649.37,284.37 ZCD.1@1655,290 ; ZCD.1@1644.37,309.37 ZCD.1@1655,320 ; v1(1650,880) 1662.01,892.01 U2.8@1723.54,892.01 ; R44.2@1660,200 ZCD.1@1660,295
  Bottom Layer w10: ZCD.1@1648.5,326.5 1648.5,445 ; 1648.5,438.5 1648.5,445 ; v1(1650,880) 1649.92,880 1648.5,878.58 1648.5,445
pads on no net: L3.4 L3.5 RX2.0 U1.8 U2.12 U2.23 U2.31 U2.32 U2.36 U2.37 U2.38 U10.1

## Polygon pours and split planes (outlines as drawn)
GND on Bottom Layer "Bottom Layer-GND" (solid, remove dead copper, pour order 1002): 0,0 0,2400 3700,2400 3700,0
+3V3 on Top Layer "+3V3_TOP" (solid, remove dead copper, pour order 1003): 1755,1145 2135,1145 2135,765 1755,765
GND on Top Layer "GND_TOP" (solid, remove dead copper, pour order 1004): 1379.71,2305 1914.08,2305 1914.08,1890 1379.71,1890

## Keep-outs
Keep-Out Layer:
  the board outline again, w20

## Other copper
Top Layer:
  rectangle net GND: 1732.71,2067.19 1782.71,2092.19
  rectangle net GND: 992.4,917.4 1062.4,992.4
  rectangle net GND: 867.4,917.4 992.4,1072.4
  rectangle net +3V3: 1092.4,917.4 1302.4,1042.4
  rectangle net NetL1_1: 1092.4,1057.4 1302.4,1207.4
  rectangle net +5V: 917.4,1097.4 1057.4,1207.4
  rectangle net GND: 1694.71,2032.19 1734.71,2227.19
  rectangle net GND: 2910,350 2975,460
  rectangle net GND: 2910,890 2975,1000
  rectangle net GND: 2910,1310 2975,1420
  rectangle net GND: 2910,1850 2975,1960
  pour cut-out: 1760,785 1775,770 1775,755 1745,755 1745,785
  pour cut-out: 2130,1125 2115,1140 2115,1155 2145,1155 2145,1125
  pour cut-out: 1775,1140 1760,1125 1745,1125 1745,1155 1775,1155
Bottom Layer:
  rectangle net B_2: 2955,80 3395,465
  rectangle net A_2: 2955,475 3395,860
  rectangle net B_1: 2955,1040 3395,1425
  rectangle net A_1: 2955,1435 3395,1820

## Silkscreen, mask and mechanical layers (free items; w line width, h text height)
Top Overlay:
  lines w7: 3365,1915 3365,2030
  text "+  -" at 3330,2020 h26 r270
  text "UD+ V1.2 2016 Phillip Slawinski / Steve Ward" at 3675,325 h35 r90
Mechanical 15:
  the board outline again, w10

## Text inside footprints (layer, text, board x,y; h text height)
BR1: Top Overlay "-" at 2945,2015 h30; Top Overlay "+" at 2945,2225 h30